# KiCad board LegionKeys_beforeEdgePlates.kicad_pcb
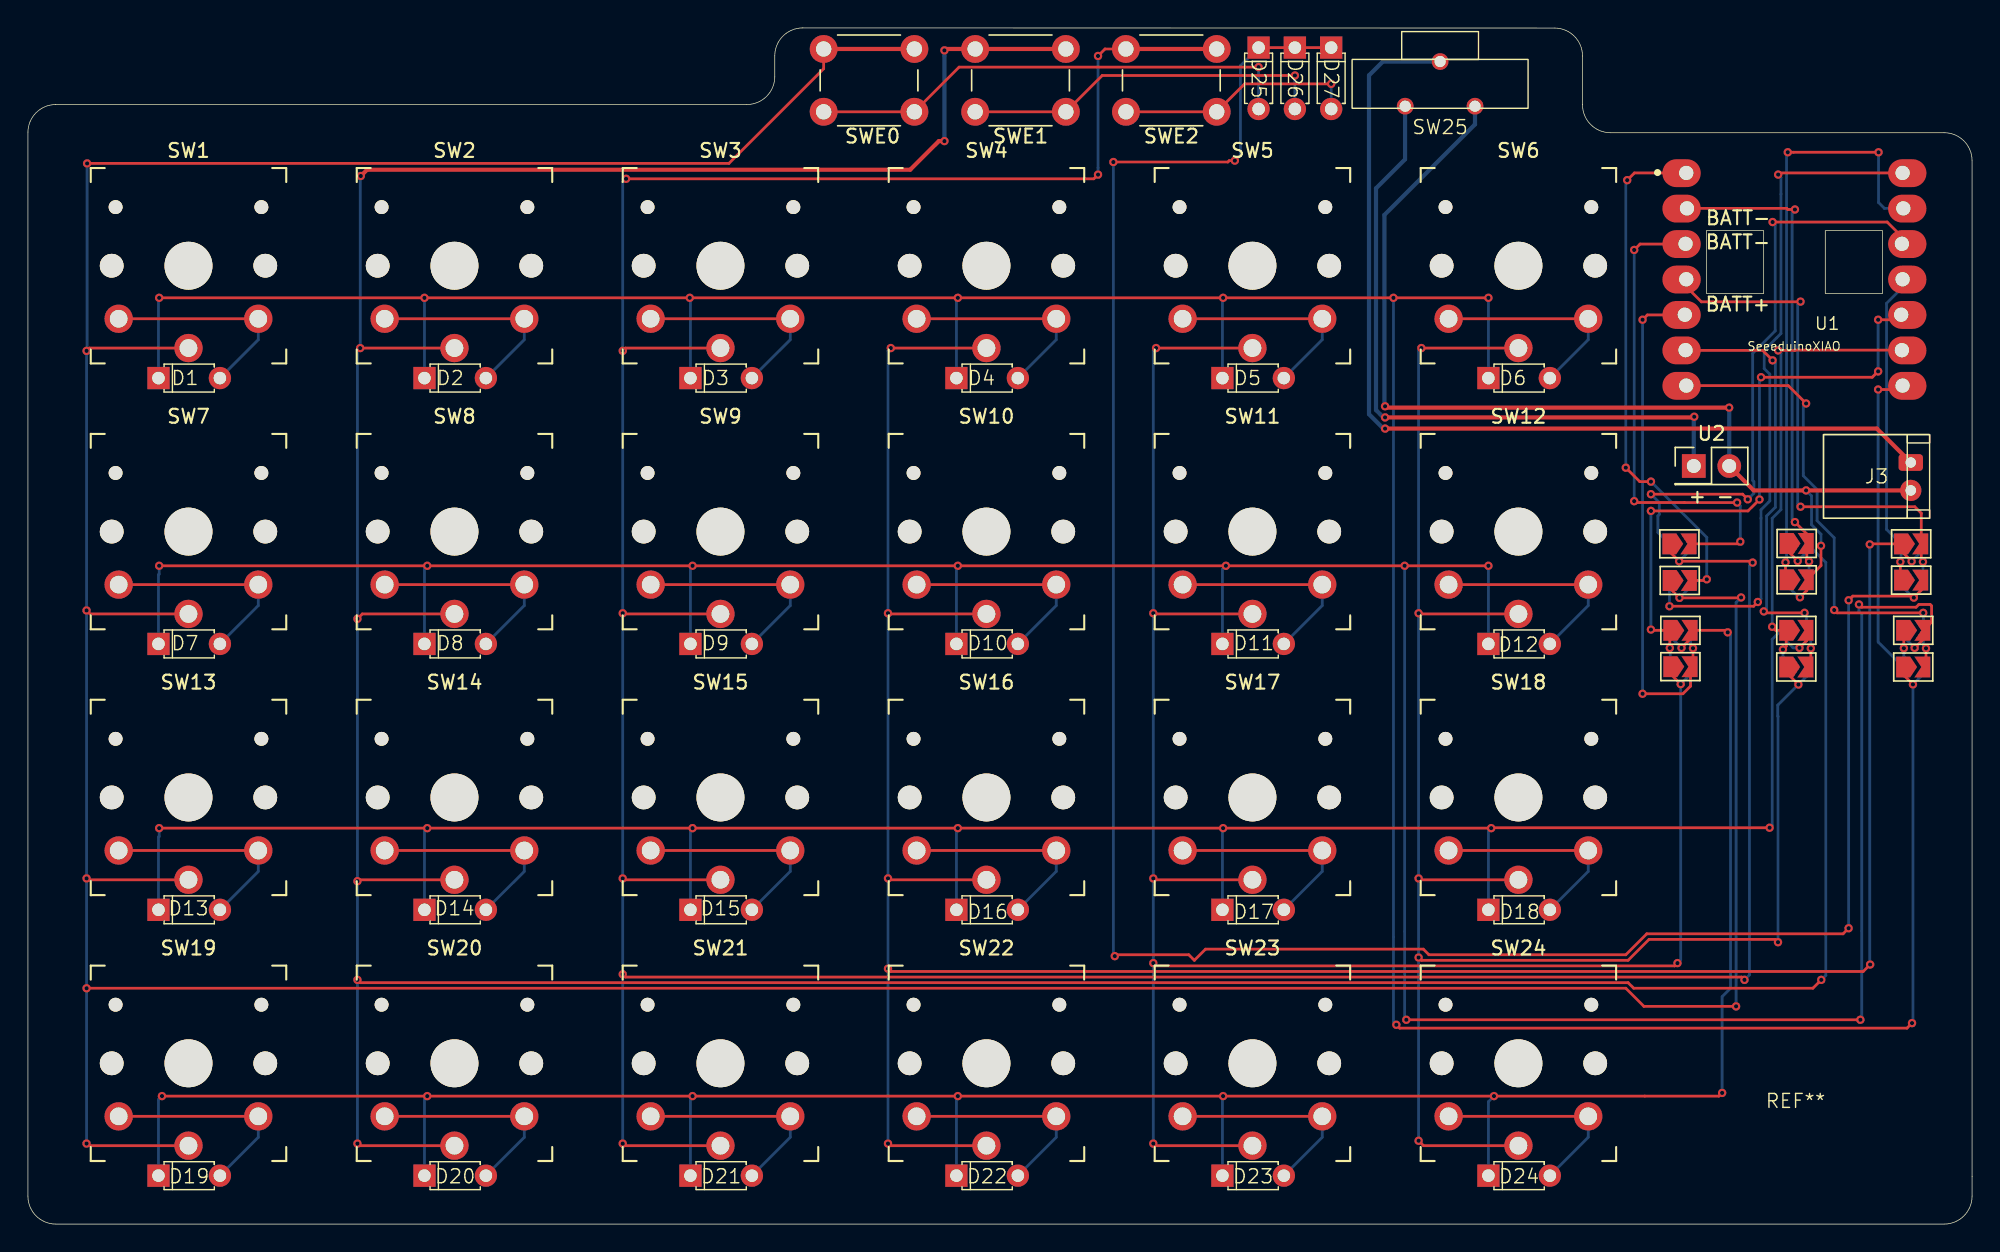
[diagram p0: board, top side]
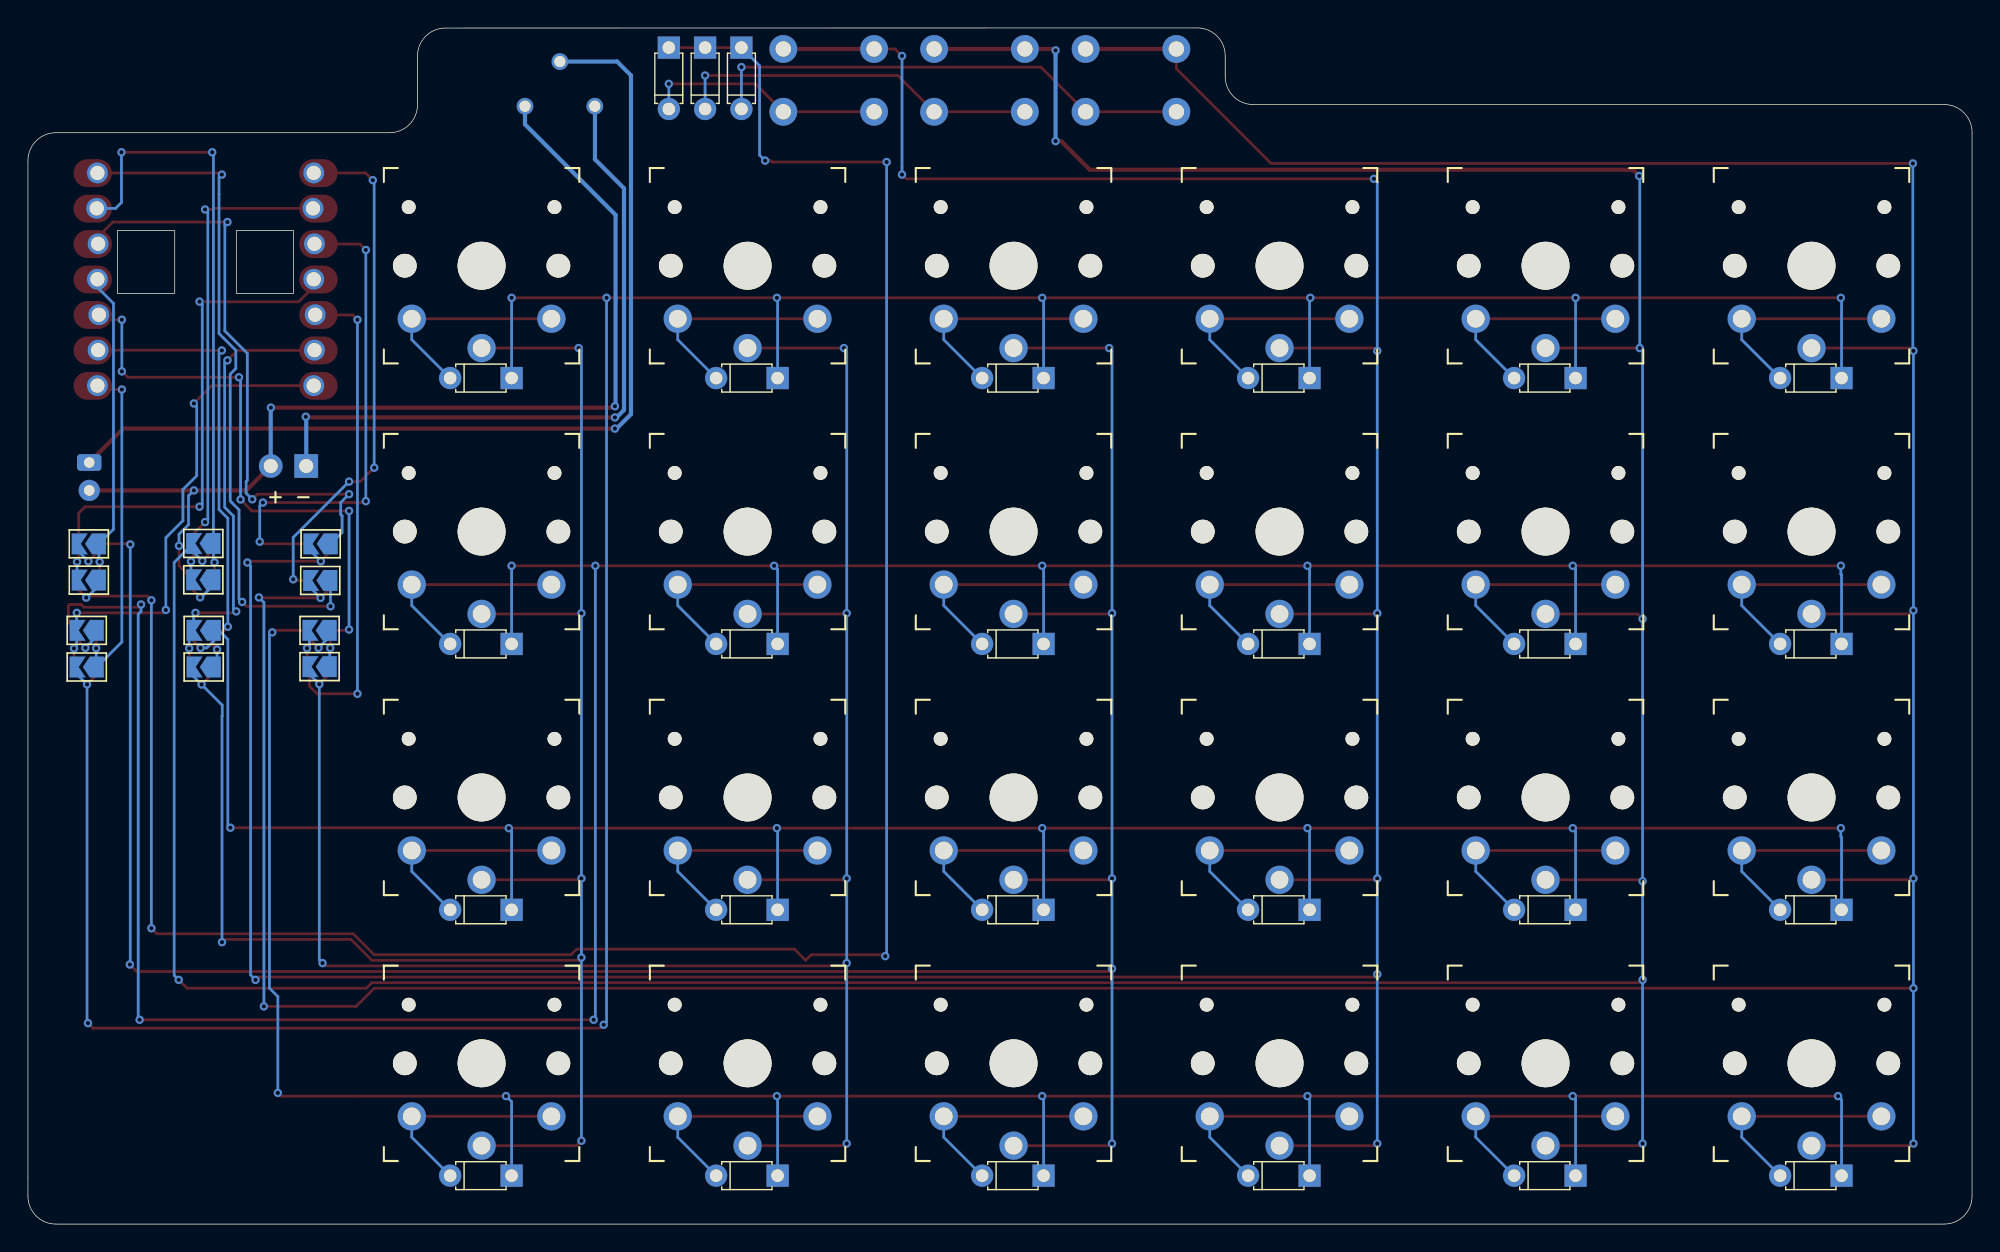
[diagram p1: board, bottom side, seen from below]

Outline 139.24 x 85.71 mm; copper layers: Top, Bottom. Coordinates in mm from the lower left corner of the outline.
Outline path: 0,78.22 arc(0.59,79.63) 2,80.22 51.49,80.22 arc(52.9,80.81) 53.49,82.22 53.49,83.71 arc(54.08,85.12) 55.49,85.71 109.34,85.7 arc(110.75,85.11) 111.34,83.7 111.34,80.2 arc(111.93,78.79) 113.34,78.2 137.24,78.2 arc(138.65,77.61) 139.24,76.2 139.24,2 arc(138.65,0.59) 137.24,0 2,0 arc(0.59,0.59) 0,2 0,78.22
Stack: Top 0.035mm / dielectric 1.51mm FR4 er 4.5 / Bottom 0.035mm

## Placement (name value [footprint] x y rotation side)
D1  D  [1N4148_Diode]  11.55 60.62 0 top
D2  D  [1N4148_Diode]  30.6 60.62 0 top
D3  D  [1N4148_Diode]  49.65 60.62 0 top
D4  D  [1N4148_Diode]  68.7 60.62 0 top
D5  D  [1N4148_Diode]  87.75 60.62 0 top
D6  D  [1N4148_Diode]  106.8 60.62 0 top
D7  D  [1N4148_Diode]  11.55 41.57 0 top
D8  D  [1N4148_Diode]  30.6 41.57 0 top
D9  D  [1N4148_Diode]  49.65 41.57 0 top
D10  D  [1N4148_Diode]  68.7 41.57 0 top
D11  D  [1N4148_Diode]  87.75 41.57 0 top
D12  D  [1N4148_Diode]  106.8 41.57 0 top
D13  D  [1N4148_Diode]  11.55 22.52 0 top
D14  D  [1N4148_Diode]  30.6 22.52 0 top
D15  D  [1N4148_Diode]  49.65 22.52 0 top
D16  D  [1N4148_Diode]  68.7 22.52 0 top
D17  D  [1N4148_Diode]  87.75 22.52 0 top
D18  D  [1N4148_Diode]  106.8 22.52 0 top
D19  D  [1N4148_Diode]  11.55 3.47 0 top
D20  D  [1N4148_Diode]  30.6 3.47 0 top
D21  D  [1N4148_Diode]  49.65 3.47 0 top
D22  D  [1N4148_Diode]  68.7 3.47 0 top
D23  D  [1N4148_Diode]  87.75 3.47 0 top
D24  D  [1N4148_Diode]  106.8 3.47 0 top
D25  D  [1N4148_Diode]  88.14 82.1 270 top
D26  D  [1N4148_Diode]  90.74 82.1 270 top
D27  D  [1N4148_Diode]  93.34 82.1 270 top
J3  Conn_01x02_Socket  [JST_2P_PH_SideMount]  134.85 53.57 0 top
JPB-2  Jumper  [SolderJumper-2_P1.3mm_Open_TrianglePad1.0x1.5mm]  126.68 46.17 0 bottom
JPB-4  Jumper  [SolderJumper-2_P1.3mm_Open_TrianglePad1.0x1.5mm]  134.88 46.14 0 bottom
JPB-5  Jumper  [SolderJumper-2_P1.3mm_Open_TrianglePad1.0x1.5mm]  118.35 42.54 0 bottom
JPB-6  Jumper  [SolderJumper-2_P1.3mm_Open_TrianglePad1.0x1.5mm]  126.65 42.54 0 bottom
JPB-7  Jumper  [SolderJumper-2_P1.3mm_Open_TrianglePad1.0x1.5mm]  135.03 42.54 0 bottom
JPB-8  Jumper  [SolderJumper-2_P1.3mm_Open_TrianglePad1.0x1.5mm]  135.03 39.92 0 bottom
JPB-9  Jumper  [SolderJumper-2_P1.3mm_Open_TrianglePad1.0x1.5mm]  126.65 39.92 0 bottom
JPB-10  Jumper  [SolderJumper-2_P1.3mm_Open_TrianglePad1.0x1.5mm]  118.35 39.94 0 bottom
JPB-11  Jumper  [SolderJumper-2_P1.3mm_Open_TrianglePad1.0x1.5mm]  134.88 48.74 0 bottom
JPB-12  Jumper  [SolderJumper-2_P1.3mm_Open_TrianglePad1.0x1.5mm]  118.28 48.74 0 bottom
JPB-13  Jumper  [SolderJumper-2_P1.3mm_Open_TrianglePad1.0x1.5mm]  126.68 48.77 0 bottom
JPB-14  Jumper  [SolderJumper-2_P1.3mm_Open_TrianglePad1.0x1.5mm]  118.3 46.12 0 bottom
JPF-1  Jumper  [SolderJumper-2_P1.3mm_Open_TrianglePad1.0x1.5mm]  118.3 46.12 0 top
JPF-2  Jumper  [SolderJumper-2_P1.3mm_Open_TrianglePad1.0x1.5mm]  126.68 48.77 0 top
JPF-3  Jumper  [SolderJumper-2_P1.3mm_Open_TrianglePad1.0x1.5mm]  118.28 48.74 0 top
JPF-4  Jumper  [SolderJumper-2_P1.3mm_Open_TrianglePad1.0x1.5mm]  134.88 48.74 0 top
JPF-5  Jumper  [SolderJumper-2_P1.3mm_Open_TrianglePad1.0x1.5mm]  118.35 39.94 0 top
JPF-6  Jumper  [SolderJumper-2_P1.3mm_Open_TrianglePad1.0x1.5mm]  126.65 39.92 0 top
JPF-7  Jumper  [SolderJumper-2_P1.3mm_Open_TrianglePad1.0x1.5mm]  135.03 39.92 0 top
JPF-8  Jumper  [SolderJumper-2_P1.3mm_Open_TrianglePad1.0x1.5mm]  135.03 42.54 0 top
JPF-9  Jumper  [SolderJumper-2_P1.3mm_Open_TrianglePad1.0x1.5mm]  126.65 42.54 0 top
JPF-10  Jumper  [SolderJumper-2_P1.3mm_Open_TrianglePad1.0x1.5mm]  118.35 42.54 0 top
JPF-11  Jumper  [SolderJumper-2_P1.3mm_Open_TrianglePad1.0x1.5mm]  134.88 46.14 0 top
JPF-13  Jumper  [SolderJumper-2_P1.3mm_Open_TrianglePad1.0x1.5mm]  126.68 46.17 0 top
REF**  -  [300mAh_Battery]  126.6 20.32 0 top
SW1  SW_Push  [SW_PG1350_reversible]  11.5 68.67 0 top
SW2  SW_Push  [SW_PG1350_reversible]  30.55 68.67 0 top
SW3  SW_Push  [SW_PG1350_reversible]  49.6 68.67 0 top
SW4  SW_Push  [SW_PG1350_reversible]  68.65 68.67 0 top
SW5  SW_Push  [SW_PG1350_reversible]  87.7 68.67 0 top
SW6  SW_Push  [SW_PG1350_reversible]  106.75 68.67 0 top
SW7  SW_Push  [SW_PG1350_reversible]  11.5 49.62 0 top
SW8  SW_Push  [SW_PG1350_reversible]  30.55 49.62 0 top
SW9  SW_Push  [SW_PG1350_reversible]  49.6 49.62 0 top
SW10  SW_Push  [SW_PG1350_reversible]  68.65 49.62 0 top
SW11  SW_Push  [SW_PG1350_reversible]  87.7 49.62 0 top
SW12  SW_Push  [SW_PG1350_reversible]  106.75 49.62 0 top
SW13  SW_Push  [SW_PG1350_reversible]  11.5 30.57 0 top
SW14  SW_Push  [SW_PG1350_reversible]  30.55 30.57 0 top
SW15  SW_Push  [SW_PG1350_reversible]  49.6 30.57 0 top
SW16  SW_Push  [SW_PG1350_reversible]  68.65 30.57 0 top
SW17  SW_Push  [SW_PG1350_reversible]  87.7 30.57 0 top
SW18  SW_Push  [SW_PG1350_reversible]  106.75 30.57 0 top
SW19  SW_Push  [SW_PG1350_reversible]  11.5 11.52 0 top
SW20  SW_Push  [SW_PG1350_reversible]  30.55 11.52 0 top
SW21  SW_Push  [SW_PG1350_reversible]  49.6 11.52 0 top
SW22  SW_Push  [SW_PG1350_reversible]  68.65 11.52 0 top
SW23  SW_Push  [SW_PG1350_reversible]  87.7 11.52 0 top
SW24  SW_Push  [SW_PG1350_reversible]  106.75 11.52 0 top
SW25  SW_SPDT  [SlideSwitch_IS-1245T-G]  101.14 81.7 180 top
SWE0  SW_Push  [SW_PUSH_6mm]  56.99 84.2 0 top
SWE1  SW_Push  [SW_PUSH_6mm]  67.84 84.2 0 top
SWE2  SW_Push  [SW_PUSH_6mm]  78.64 84.2 0 top
U1  SeeeduinoXIAO  [Seeeduino XIAO-MOUDLE14P-2.54-21X17.8MM_ThroughHole]  117.6 57.18 0 top
U2  ~  [PinHeader_2x01_P2.54mm_Vertical]  119.31 54.32 0 top

## Library data of the parts
D1-D27 = -: Description: Diode; Sim.Pins: 1=K 2=A; ki_fp_filters: TO-???* *_Diode_* *SingleDiode* D_*
J3 = -: Description: Generic connector, single row, 01x02, script generated; ki_fp_filters: Connector*:*_1x??_*
JPB-2 JPB-4-JPB-14 JPF-1-JPF-11 JPF-13 = -: Description: Solder Jumper, 2-pole, open; ki_fp_filters: SolderJumper*Open*
SW1-SW24 SWE0-SWE2 = -: Description: Push button switch, generic, two pins
SW25 = -: Description: Switch, single pole double throw

## Footprints (pads in the part's own frame, mm; a bottom-side part is the same pattern mirrored in y, then rotated)
1N4148_Diode
  rect 1.6x1.6 hole 0.9: 1(-2.2,0)
  round 1.6 hole 0.9: 2(2.2,0)
JST_2P_PH_SideMount
  rrect 1.75x1.2 hole 0.75: 1(0,1)
  round 1.524 hole 0.762: 2(0,-1)
PinHeader_2x01_P2.54mm_Vertical
  rect 1.7x1.7 hole 1: 1(0,0)
  oval 1.7x1.7 hole 1: 2(2.54,0)
Seeeduino XIAO-MOUDLE14P-2.54-21X17.8MM_ThroughHole
  oval 2.748x1.999 smd: 1(0.833,18.118) 2(0.833,15.578) 3(0.833,13.038) 4(0.833,10.498) 5(0.833,7.958) 6(0.833,5.418) 7(0.833,2.878) 8(16.998,2.878) 9(16.998,5.418) 10(16.998,7.958) 11(16.998,10.498) 12(16.998,13.038) 13(16.998,15.578) 14(16.998,18.118)
  round 1.5 hole 1.02: 1(1.168,18.136) 2(1.219,15.596) 3(1.118,13.056) 4(1.168,10.516) 5(1.067,7.976) 6(1.118,5.436) 7(1.168,2.896) 8(16.662,2.896) 9(16.612,5.436) 10(16.561,7.976) 11(16.662,10.516) 12(16.612,13.056) 13(16.713,15.596) 14(16.662,18.136)
SlideSwitch_IS-1245T-G
  round 1.2 hole 0.8: 1(-2.5,1.6) 2(0,-1.6) 3(2.5,1.6)
SolderJumper-2_P1.3mm_Open_TrianglePad1.0x1.5mm
  custom 1.5x1.5 smd: 1(-0.725,0)
  custom 1.15x1.5 smd: 2(0.725,0)
SW_PG1350_reversible
  round 1.702 hole 1.702 unplated: (-5.5,0) (5.5,0)
  round 0.991 hole 0.991 unplated: (-5.22,4.2) (5.22,4.2)
  round 3.429 hole 3.429 unplated: (0,0)
  round 2.032 hole 1.27: 1(0,-5.9) 2(-5,-3.8) 2(5,-3.8)
SW_PUSH_6mm
  round 2 hole 1.1: 1(0,0) 1(6.5,0) 2(0,-4.5) 2(6.5,-4.5)

## Nets
GND: J3.2 JPB-2.1 JPF-13.2 SW25.1 U2.2
+BATT: SW25.3 U2.1
/COL0: JPB-14.2 JPF-1.1 SW1.1 SW7.1 SW13.1 SW19.1 SWE0.1
/COL1: JPB-13.2 JPF-2.1 SW2.1 SW8.1 SW14.1 SW20.1 SWE1.1
/COL2: JPB-12.2 JPF-3.1 SW3.1 SW9.1 SW15.1 SW21.1 SWE2.1
/COL3: JPB-11.2 JPF-4.1 SW4.1 SW10.1 SW16.1 SW22.1
/COL4: JPB-10.2 JPF-5.1 SW5.1 SW11.1 SW17.1 SW23.1
/COL5: JPB-9.2 JPF-6.1 SW6.1 SW12.1 SW18.1 SW24.1
/ROW0: D1.1 D2.1 D3.1 D4.1 D5.1 D6.1 JPB-8.2 JPF-7.1
/ROW1: D7.1 D8.1 D9.1 D10.1 D11.1 D12.1 JPB-7.1 JPF-8.2
/ROW2: D13.1 D14.1 D15.1 D16.1 D17.1 D18.1 JPB-6.1 JPF-9.2
/ROW3: D19.1 D20.1 D21.1 D22.1 D23.1 D24.1 JPB-5.1 JPF-10.2
/ROW4: D25.1 D26.1 D27.1 JPB-4.1 JPF-11.2
Net-(D1-A): D1.2 SW1.2
Net-(D2-A): D2.2 SW2.2
Net-(D3-A): D3.2 SW3.2
Net-(D4-A): D4.2 SW4.2
Net-(D5-A): D5.2 SW5.2
Net-(D6-A): D6.2 SW6.2
Net-(D7-A): D7.2 SW7.2
Net-(D8-A): D8.2 SW8.2
Net-(D9-A): D9.2 SW9.2
Net-(D10-A): D10.2 SW10.2
Net-(D11-A): D11.2 SW11.2
Net-(D12-A): D12.2 SW12.2
Net-(D13-A): D13.2 SW13.2
Net-(D14-A): D14.2 SW14.2
Net-(D15-A): D15.2 SW15.2
Net-(D16-A): D16.2 SW16.2
Net-(D17-A): D17.2 SW17.2
Net-(D18-A): D18.2 SW18.2
Net-(D19-A): D19.2 SW19.2
Net-(D20-A): D20.2 SW20.2
Net-(D21-A): D21.2 SW21.2
Net-(D22-A): D22.2 SW22.2
Net-(D23-A): D23.2 SW23.2
Net-(D24-A): D24.2 SW24.2
Net-(D25-A): D25.2 SWE0.2
Net-(D26-A): D26.2 SWE1.2
Net-(D27-A): D27.2 SWE2.2
Net-(J3-Pin_1): J3.1 SW25.2
Net-(JPB-2-B): JPB-2.2 JPF-2.2 U1.2
Net-(JPB-4-B): JPB-4.2 JPF-4.2 U1.4
Net-(JPB-5-B): JPB-5.2 JPF-5.2 U1.5
Net-(JPB-6-B): JPB-6.2 JPF-6.2 U1.6
Net-(JPB-7-B): JPB-7.2 JPF-7.2 U1.7
Net-(JPB-8-A): JPB-8.1 JPF-8.1 U1.8
Net-(JPB-9-A): JPB-9.1 JPF-9.1 U1.9
Net-(JPB-10-A): JPB-10.1 JPF-10.1 U1.10
Net-(JPB-11-A): JPB-11.1 JPF-11.1 U1.11
Net-(JPB-12-A): JPB-12.1 U1.12
Net-(JPB-13-A): JPB-13.1 JPF-13.1 U1.13
Net-(JPB-14-A): JPB-14.1 U1.14
Net-(JPF-1-B): JPF-1.2 U1.1
Net-(JPF-3-B): JPF-3.2 U1.3

## Via types
v1: diameter 0.6, hole 0.3, Top to Bottom, 154 vias

## Routing (per net, layer and track width the routed paths; a pad name or vN(x,y) marks a point on that pad's centre or on a via; arc(x,y) is an arc through that point)
GND: length 77.2
  Top w0.2: v1(128.42,48.6) 128.42,47.18 JPF-13.2 127.4,45.4 v1(126.91,44.91)
  Top w0.3: v1(97.2,58.6) 97.3,58.5 v1(121.84,58.5) ; U2.2 123.6,52.57 v1(127.35,52.57) J3.2
  Bottom w0.2: v1(126.91,44.91) 126.83,44.91 125.95,45.78 JPB-2.1 ; v1(127.35,52.57) 127.74,52.18 127.74,50.11 128.42,49.43 v1(128.42,48.6)
  Bottom w0.3: U2.2 121.85,58.49 v1(121.84,58.5) ; v1(97.2,58.6) 97.15,58.65 97.15,72.31 103.64,78.8 SW25.1
+BATT: length 49.2
  Top w0.3: v1(119.34,57.85) 119.29,57.8 v1(97.2,57.8)
  Bottom w0.3: v1(119.34,57.85) 119.31,57.82 U2.1 ; v1(97.2,57.8) 97.08,57.8 96.55,58.33 96.55,74.22 98.63,76.3 98.63,80.09 SW25.3
/COL0: length 318.9
  Top w0.2: SWE0.1 56.99,82.79 50.2,76 v1(4.24,76) ; SW19.1 4.35,5.62 v1(4.2,5.77) ; SW13.1 4.3,24.67 v1(4.2,24.77) ; 117.6,45.58 117.6,46.12 ; v1(4.2,62.57) 4.4,62.77 SW1.1 ; v1(122.34,15.6) 115.74,15.6 114.44,16.9 v1(4.2,16.9) ; v1(4.2,43.97) 4.45,43.72 SW7.1 ; v1(122.7,44.9) 122.67,44.87 v1(118.28,44.87) 117.58,45.58
  Top w0.3: SWE0.1 SWE0.1
  Bottom w0.2: v1(4.24,76) 4.24,62.68 4.2,62.64 v1(4.2,62.57) v1(4.2,43.97) v1(4.2,24.77) v1(4.2,16.9) v1(4.2,5.77) ; v1(122.34,15.6) 122.34,44.54 v1(122.7,44.9) ; JPB-14.2 119.03,45.61 v1(118.28,44.87)
/COL1: length 295.9
  Top w0.2: SW14.1 23.7,24.67 v1(23.6,24.57) ; v1(23.6,5.77) 23.75,5.62 SW20.1 ; v1(23.6,43.37) 23.95,43.72 SW8.1 ; v1(128.44,17.5) 127.84,16.9 115.01,16.9 114.61,17.3 23.8,17.3 v1(23.6,17.5) ; v1(23.8,62.77) SW2.1 ; JPF-2.1 125.95,48.31 v1(126.75,47.52)
  Top w0.3: v1(65.64,77.6) 65.24,77.6 63.19,75.55 24.29,75.55 v1(23.84,75.1) ; SWE1.1 SWE1.1 65.74,84.2 v1(65.64,84.1)
  Bottom w0.2: 23.6,17.4 v1(23.6,17.5) ; 23.6,17.4 v1(23.6,5.77) ; 23.6,17.4 v1(23.6,24.57) v1(23.6,43.37) 23.6,62.57 v1(23.8,62.77) 23.8,75.06 v1(23.84,75.1) ; v1(128.44,17.5) 128.76,17.82 128.76,47.41 JPB-13.2 127.4,48.17 v1(126.75,47.52)
  Bottom w0.3: v1(65.64,77.6) v1(65.64,84.1)
/COL2: length 267.6
  Top w0.2: v1(123.52,47.4) 123.43,47.5 v1(118.26,47.5) 117.55,48.2 ; v1(76.64,75.2) 76.34,74.9 v1(42.84,74.9) ; v1(42.6,43.77) 42.65,43.72 SW9.1 ; SWE2.1 77.14,84.2 v1(76.64,83.7) ; SW3.1 42.8,62.77 v1(42.6,62.57) ; SW21.1 42.75,5.62 v1(42.6,5.77) ; v1(42.6,17.9) 42.8,17.7 122.74,17.7 v1(122.94,17.5) ; 117.58,48.2 117.58,48.74 ; v1(42.6,24.77) 42.7,24.67 SW15.1
  Top w0.3: SWE2.1 SWE2.1
  Bottom w0.2: v1(42.6,5.77) v1(42.6,24.77) v1(42.6,43.77) v1(42.6,62.57) 42.6,74.66 v1(42.84,74.9) ; v1(76.64,83.7) v1(76.64,75.2) ; JPB-12.2 119,48.24 v1(118.26,47.5) ; v1(122.94,17.5) 123.3,17.86 123.3,47.17 v1(123.52,47.4)
/COL3: length 191.3
  Top w0.2: v1(131.91,48.7) 131.95,48.74 JPF-4.1 134.15,48.25 v1(134.91,47.49) ; v1(61.6,5.77) 61.75,5.62 SW22.1 ; SW16.1 61.7,24.67 v1(61.6,24.77) ; v1(61.8,62.77) SW4.1 ; v1(131.94,18.6) 131.44,18.1 61.8,18.1 v1(61.6,18.3) ; SW10.1 61.65,43.72 v1(61.6,43.77)
  Bottom w0.2: JPB-11.2 135.6,48.18 v1(134.91,47.49) ; v1(131.94,18.6) 131.91,18.63 v1(131.91,48.7) ; v1(61.8,62.77) 61.6,62.57 v1(61.6,43.77) v1(61.6,24.77) v1(61.6,5.77)
/COL4: length 146.4
  Top w0.2: SW17.1 80.7,24.67 v1(80.6,24.77) ; v1(118.37,38.69) 117.63,39.43 JPF-5.1 ; v1(80.6,5.77) 80.75,5.62 SW23.1 ; v1(80.6,43.77) 80.65,43.72 SW11.1 ; v1(80.8,62.77) SW5.1 ; v1(80.6,18.7) 80.6,18.64 80.74,18.5 117.94,18.5 v1(118.14,18.7)
  Bottom w0.2: JPB-10.2 119.08,39.4 v1(118.37,38.69) 118.37,18.93 v1(118.14,18.7) ; v1(80.6,5.77) 80.6,18.8 ; 80.6,18.8 v1(80.6,18.7) ; 80.6,18.8 v1(80.6,24.77) v1(80.6,43.77) 80.6,62.57 v1(80.8,62.77)
/COL5: length 134.3
  Top w0.2: v1(99.6,19.1) 99.8,18.9 114.61,18.9 116.11,20.4 125.14,20.4 v1(125.34,20.2) ; v1(126.8,38.66) 125.93,39.54 JPF-6.1 ; v1(99.6,43.77) 99.65,43.72 SW12.1 ; v1(99.6,5.97) 99.95,5.62 SW24.1 ; v1(99.6,24.77) 99.7,24.67 SW18.1 ; v1(99.8,62.77) SW6.1
  Bottom w0.2: 99.6,19 v1(99.6,19.1) ; 99.6,19 v1(99.6,5.97) ; 99.6,19 v1(99.6,24.77) v1(99.6,43.77) 99.6,62.57 v1(99.8,62.77) ; JPB-9.2 127.38,39.24 v1(126.8,38.66) 125.32,37.18 125.32,36.4 125.34,36.38 v1(125.34,20.2)
/ROW0: length 246.6
  Top w0.2: v1(134.94,14.4) 134.58,14.04 98.25,14.04 v1(98,14.28) ; 134.35,39.38 134.35,39.92 ; v1(135.01,38.67) 134.3,39.38 ; v1(104.6,66.37) v1(97.8,66.37) v1(85.6,66.37) v1(66.6,66.37) v1(47.4,66.37) v1(28.4,66.37) v1(9.4,66.37)
  Bottom w0.2: D5.1 85.55,66.32 v1(85.6,66.37) ; D1.1 9.35,66.32 v1(9.4,66.37) ; v1(47.4,66.37) 47.45,66.32 D3.1 ; D4.1 66.5,66.27 v1(66.6,66.37) ; D6.1 v1(104.6,66.37) ; D2.1 v1(28.4,66.37) ; v1(97.8,66.37) 97.8,14.49 v1(98,14.28) ; v1(134.94,14.4) 135.01,14.47 v1(135.01,38.67) 135.75,39.42 JPB-8.2
/ROW1: length 234.6
  Top w0.2: v1(131.24,14.64) v1(98.72,14.64) ; v1(104.6,47.17) v1(85.8,47.17) v1(66.6,47.17) v1(47.6,47.17) v1(28.6,47.17) v1(9.4,47.17) ; v1(135.13,41.29) 135.75,41.91 JPF-8.2 136.34,43.13 136.34,44.3 136.24,44.4 135.43,44.4 135.23,44.2 131.34,44.2 v1(131.14,44.4)
  Bottom w0.2: v1(66.6,47.17) 66.5,47.07 D10.1 ; 134.35,42.54 134.35,42.11 ; v1(131.14,44.4) 131.14,43.9 131.34,43.7 131.34,14.74 v1(131.24,14.64) ; v1(9.4,47.17) 9.4,46.57 9.35,46.52 D7.1 ; D11.1 85.55,46.92 v1(85.8,47.17) ; v1(98.6,47.17) 98.6,14.76 v1(98.72,14.64) ; D9.1 47.45,47.02 v1(47.6,47.17) ; D12.1 v1(104.6,47.17) ; D8.1 28.4,46.97 v1(28.6,47.17) ; 134.3,42.11 v1(135.13,41.29)
/ROW2: length 169
  Top w0.2: JPF-9.2 127.38,41.79 v1(126.88,41.29) ; v1(124.74,28.4) 104.83,28.4 v1(104.8,28.37) v1(85.6,28.37) v1(66.6,28.37) v1(47.6,28.37) v1(28.6,28.37) v1(9.4,28.37)
  Bottom w0.2: v1(47.6,28.37) 47.45,28.22 D15.1 ; D18.1 104.6,28.17 v1(104.8,28.37) ; v1(28.6,28.37) 28.4,28.17 D14.1 ; v1(126.88,41.29) 126.43,41.29 125.93,41.79 JPB-6.1 125.56,42.54 124.92,41.9 124.92,28.58 v1(124.74,28.4) ; v1(66.6,28.37) 66.5,28.27 D16.1 ; v1(9.4,28.37) 9.4,27.77 9.35,27.72 D13.1 ; v1(85.6,28.37) 85.55,28.32 D17.1
/ROW3: length 185.7
  Top w0.2: v1(118.43,41.29) 119.08,41.94 JPF-10.2 121.6,42.54 v1(121.74,42.4) ; v1(121.34,9.4) 121.11,9.17 v1(105,9.17) v1(85.6,9.17) v1(66.6,9.17) v1(47.6,9.17) v1(28.6,9.17) v1(9.6,9.17)
  Bottom w0.2: D23.1 85.55,9.12 v1(85.6,9.17) ; D24.1 104.6,8.77 v1(105,9.17) ; D22.1 66.5,9.07 v1(66.6,9.17) ; v1(118.43,41.29) 117.63,42.09 JPB-5.1 ; D21.1 47.45,9.02 v1(47.6,9.17) ; D20.1 28.4,8.97 v1(28.6,9.17) ; v1(121.34,9.4) 121.34,16.3 121.94,16.9 121.94,42.2 v1(121.74,42.4) ; v1(9.6,9.17) 9.35,8.92 D19.1
/ROW4: length 165.2
  Top w0.2: D25.1 D26.1 D27.1 ; v1(130.4,21.2) 130,20.8 115.94,20.8 114.44,19.3 100.34,19.3 99.94,19.7 84.34,19.7 83.54,18.9 83.14,19.3 77.94,19.3 v1(77.84,19.2) ; JPF-11.2 135.6,45.42 v1(135.07,44.89) 134.96,45 130.7,45 v1(130.4,44.7) ; v1(86.44,76.2) 86.04,76.2 85.94,76.1 v1(77.74,76.1)
  Bottom w0.2: v1(135.07,44.89) 135.03,44.89 134.15,45.76 JPB-4.1 ; v1(77.84,19.2) 77.74,19.3 v1(77.74,76.1) ; v1(86.44,76.2) 86.84,76.6 86.84,83 D25.1 ; v1(130.4,21.2) v1(130.4,44.7)
Net-(D1-A): length 15.4
  Top w0.2: SW1.2 SW1.2
  Bottom w0.2: SW1.2 16.5,63.37 D1.2
Net-(D2-A): length 15.4
  Top w0.2: SW2.2 SW2.2
  Bottom w0.2: D2.2 35.55,63.37 SW2.2
Net-(D3-A): length 15.4
  Top w0.2: SW3.2 SW3.2
  Bottom w0.2: D3.2 54.6,63.37 SW3.2
Net-(D4-A): length 15.4
  Top w0.2: SW4.2 SW4.2
  Bottom w0.2: D4.2 73.65,63.37 SW4.2
Net-(D5-A): length 15.4
  Top w0.2: SW5.2 SW5.2
  Bottom w0.2: SW5.2 92.7,63.37 D5.2
Net-(D6-A): length 15.4
  Top w0.2: SW6.2 SW6.2
  Bottom w0.2: SW6.2 111.75,63.37 D6.2
Net-(D7-A): length 15.4
  Top w0.2: SW7.2 SW7.2
  Bottom w0.2: SW7.2 16.5,44.32 D7.2
Net-(D8-A): length 15.4
  Top w0.2: SW8.2 SW8.2
  Bottom w0.2: SW8.2 35.55,44.32 D8.2
Net-(D9-A): length 15.4
  Top w0.2: SW9.2 SW9.2
  Bottom w0.2: D9.2 54.6,44.32 SW9.2
Net-(D10-A): length 15.4
  Top w0.2: SW10.2 SW10.2
  Bottom w0.2: D10.2 73.65,44.32 SW10.2
Net-(D11-A): length 15.4
  Top w0.2: SW11.2 SW11.2
  Bottom w0.2: D11.2 92.7,44.32 SW11.2
Net-(D12-A): length 15.4
  Top w0.2: SW12.2 SW12.2
  Bottom w0.2: D12.2 111.75,44.32 SW12.2
Net-(D13-A): length 15.4
  Top w0.2: SW13.2 SW13.2
  Bottom w0.2: D13.2 16.5,25.27 SW13.2
Net-(D14-A): length 15.4
  Top w0.2: SW14.2 SW14.2
  Bottom w0.2: SW14.2 35.55,25.27 D14.2
Net-(D15-A): length 15.4
  Top w0.2: SW15.2 SW15.2
  Bottom w0.2: D15.2 54.6,25.27 SW15.2
Net-(D16-A): length 15.4
  Top w0.2: SW16.2 SW16.2
  Bottom w0.2: D16.2 73.65,25.27 SW16.2
Net-(D17-A): length 15.4
  Top w0.2: SW17.2 SW17.2
  Bottom w0.2: SW17.2 92.7,25.27 D17.2
Net-(D18-A): length 15.4
  Top w0.2: SW18.2 SW18.2
  Bottom w0.2: SW18.2 111.75,25.27 D18.2
Net-(D19-A): length 15.4
  Top w0.2: SW19.2 SW19.2
  Bottom w0.2: D19.2 16.5,6.22 SW19.2
Net-(D20-A): length 15.4
  Top w0.2: SW20.2 SW20.2
  Bottom w0.2: D20.2 35.55,6.22 SW20.2
Net-(D21-A): length 15.4
  Top w0.2: SW21.2 SW21.2
  Bottom w0.2: SW21.2 54.6,6.22 D21.2
Net-(D22-A): length 15.4
  Top w0.2: SW22.2 SW22.2
  Bottom w0.2: D22.2 73.65,6.22 SW22.2
Net-(D23-A): length 15.4
  Top w0.2: SW23.2 SW23.2
  Bottom w0.2: SW23.2 92.7,6.22 D23.2
Net-(D24-A): length 15.4
  Top w0.2: SW24.2 SW24.2
  Bottom w0.2: D24.2 111.75,6.22 SW24.2
Net-(D25-A): length 35.5
  Top w0.2: SWE0.2 SWE0.2 66.69,82.9 v1(88.14,82.9)
  Bottom w0.2: v1(88.14,82.9) D25.2
Net-(D26-A): length 26.4
  Top w0.2: SWE1.2 SWE1.2 76.94,82.3 v1(90.74,82.3)
  Bottom w0.2: v1(90.74,82.3) D26.2
Net-(D27-A): length 17.3
  Top w0.2: SWE2.2 SWE2.2 87.14,81.7 v1(93.34,81.7)
  Bottom w0.2: v1(93.34,81.7) D27.2
Net-(J3-Pin_1): length 70
  Top w0.3: v1(97.2,57) 132.42,57 J3.1
  Bottom w0.3: SW25.2 97.04,83.3 96.05,82.31 96.05,58.03 97.08,57 v1(97.2,57)
Net-(JPB-2-B): length 35
  Top w0.2: v1(126.55,72.7) 126.04,72.7 125.96,72.78 U1.2 ; v1(126.55,50.3) 127.4,49.45 JPF-2.2 127.4,47.64 v1(127.56,47.48)
  Bottom w0.2: v1(126.55,50.3) 126.35,50.5 126.35,72.5 v1(126.55,72.7) ; JPB-2.2 127.56,46.33 v1(127.56,47.48)
Net-(JPB-4-B): length 37.8
  Top w0.2: U1.4 118.77,67.17 119.85,66.08 126.94,66.08 v1(126.95,66.1) ; v1(135.72,47.45) 135.6,47.57 JPF-4.2 135.6,50.94 135.14,51.4 v1(126.95,51.4)
  Bottom w0.2: JPB-4.2 135.72,46.26 v1(135.72,47.45) ; v1(126.95,66.1) 126.75,65.9 126.75,51.6 v1(126.95,51.4)
Net-(JPB-5-B): length 37.5
  Top w0.2: v1(119.25,41.26) 119.25,40.12 JPF-5.2 119.08,38.55 118.53,38 v1(115.64,38) ; U1.5 115.98,65.14 v1(115.64,64.8)
  Bottom w0.2: v1(119.25,41.26) 119.08,41.44 JPB-5.2 ; v1(115.64,38) v1(115.64,64.8)
Net-(JPB-6-B): length 32.4
  Top w0.2: v1(127.24,43.8) 124.43,43.8 v1(124.32,43.9) ; v1(127.69,41.25) 127.69,40.23 JPF-6.2 ; v1(124.95,61.89) 124.24,62.6 U1.6
  Bottom w0.2: v1(124.32,43.9) 124.52,44.1 124.52,50.74 125.15,51.37 125.15,61.69 v1(124.95,61.89) ; v1(127.24,43.8) 127.38,43.66 JPB-6.2 127.69,42.23 v1(127.69,41.25)
Net-(JPB-7-B): length 35.4
  Top w0.2: v1(135.94,41.25) 135.94,40.11 JPF-7.2 ; v1(135.74,43.8) 129.57,43.8 v1(129.36,44) ; v1(127.35,58.8) 126.07,60.08 U1.7
  Bottom w0.2: v1(127.35,58.8) 127.15,58.6 127.15,53.62 128.14,52.63 128.14,50.4 129.36,49.18 v1(129.36,44) ; v1(135.94,41.25) 135.75,41.44 JPB-7.2 135.75,43.78 v1(135.74,43.8)
Net-(JPB-8-A): length 25.1
  Top w0.2: U1.8 133.98,59.8 v1(132.51,59.8) ; 134.35,42.54 134.35,41.26 v1(134.35,41.26)
  Bottom w0.2: v1(132.51,59.8) 132.51,41.71 JPB-8.1 ; 134.35,39.92 134.35,39.92 v1(134.35,41.26)
Net-(JPB-9-A): length 32.9
  Top w0.2: v1(125.35,62.6) 126.54,62.6 126.56,62.62 U1.9 ; v1(124.92,42.8) 125.18,42.54 JPF-9.1 125.93,41.4 v1(125.69,41.17)
  Bottom w0.2: v1(124.92,42.8) 124.92,50.57 125.55,51.2 125.55,62.4 v1(125.35,62.6) ; JPB-9.1 125.69,40.15 v1(125.69,41.17)
Net-(JPB-10-A): length 43.5
  Top w0.2: v1(124.12,60.68) 132.09,60.68 v1(132.51,61.1) ; U1.10 133.8,64.8 v1(132.51,64.8) ; v1(116.24,51.1) 123.19,51.1 v1(124.01,51.92) ; v1(117.59,41.28) 117.59,42.51 JPF-10.1 116.3,42.54 v1(116.24,42.6)
  Bottom w0.2: v1(132.51,61.1) v1(132.51,64.8) ; v1(124.01,51.92) 124.01,60.57 v1(124.12,60.68) ; v1(116.24,42.6) v1(116.24,51.1) ; v1(117.59,41.28) 117.63,41.24 JPB-10.1
Net-(JPB-11-A): length 22.5
  Top w0.2: JPF-11.1 134.1,46.19 v1(134.1,47.45)
  Bottom w0.2: v1(134.1,47.45) 134.15,47.5 JPB-11.1 133.11,49.78 133.11,65.97 134.26,67.12 U1.11
Net-(JPB-12-A): length 42.3
  Top w0.2: v1(116.24,52.3) 122.81,52.3 v1(123.18,51.93) ; v1(124.95,71.8) 133.16,71.8 134.21,70.75 U1.12
  Bottom w0.2: v1(123.18,51.93) 123.61,52.37 123.61,53.2 123.52,53.29 123.52,62.38 125.14,64 125.14,71.61 v1(124.95,71.8) ; v1(116.24,52.3) 116.84,51.7 116.84,50.85 116.74,50.75 116.74,49.56 JPB-12.1
Net-(JPB-13-A): length 42.8
  Top w0.2: v1(125.88,47.42) 125.88,46.24 JPF-13.1 ; v1(132.54,76.8) v1(126.04,76.8)
  Bottom w0.2: v1(125.88,47.42) 125.95,47.5 JPB-13.1 125.95,76.71 v1(126.04,76.8) ; v1(132.54,76.8) 132.54,73.2 132.96,72.78 U1.13
Net-(JPB-14-A): length 49.2
  Top w0.2: v1(123.9,44.58) 123.59,44.27 v1(117.57,44.27) 117.44,44.4 ; v1(125.35,75.2) 125.47,75.32 U1.14
  Bottom w0.2: v1(117.57,44.27) 117.57,46.11 JPB-14.1 ; v1(125.35,75.2) 125.55,75 125.55,63.81 124.35,62.61 124.35,61.3 124.75,60.9 124.75,51.81 124.12,51.18 124.12,44.8 v1(123.9,44.58)
Net-(JPF-1-B): length 37.2
  Top w0.2: U1.1 115.06,75.32 v1(114.54,74.8) ; v1(116.24,53.2) 115.44,53.2 v1(114.44,54.2) ; v1(120.24,46.2) 120.16,46.12 JPF-1.2
  Bottom w0.2: v1(116.24,53.2) 120.24,49.2 v1(120.24,46.2) ; v1(114.44,54.2) 114.44,74.7 v1(114.54,74.8)
Net-(JPF-3-B): length 35.6
  Top w0.2: v1(122.64,48.9) 122.48,48.74 JPF-3.2 ; v1(115.04,51.8) 115.14,51.7 118.64,51.7 v1(122.41,51.7) ; U1.3 115.46,70.22 v1(115.04,69.8)
  Bottom w0.2: v1(122.64,48.9) 122.64,51.47 v1(122.41,51.7) ; v1(115.04,51.8) v1(115.04,69.8)

## Text on the board
B.Silkscreen: + -
F.Silkscreen: + -
